# Altium PCB PCB1.PcbDoc (part 2 of 3)
Units mm, origin at the board's own origin, x right, y up, seen from the top; angles counter-clockwise.
Board outline 129.78 x 54 mm, 4 copper layers (Top Layer, Mid-Layer 1, Mid-Layer 2, Bottom Layer), stack 0.202 mm thick; 119 components, 96 nets, 472 pads, 1341 vias.
Unrouted connection lines stored in the file: 18.
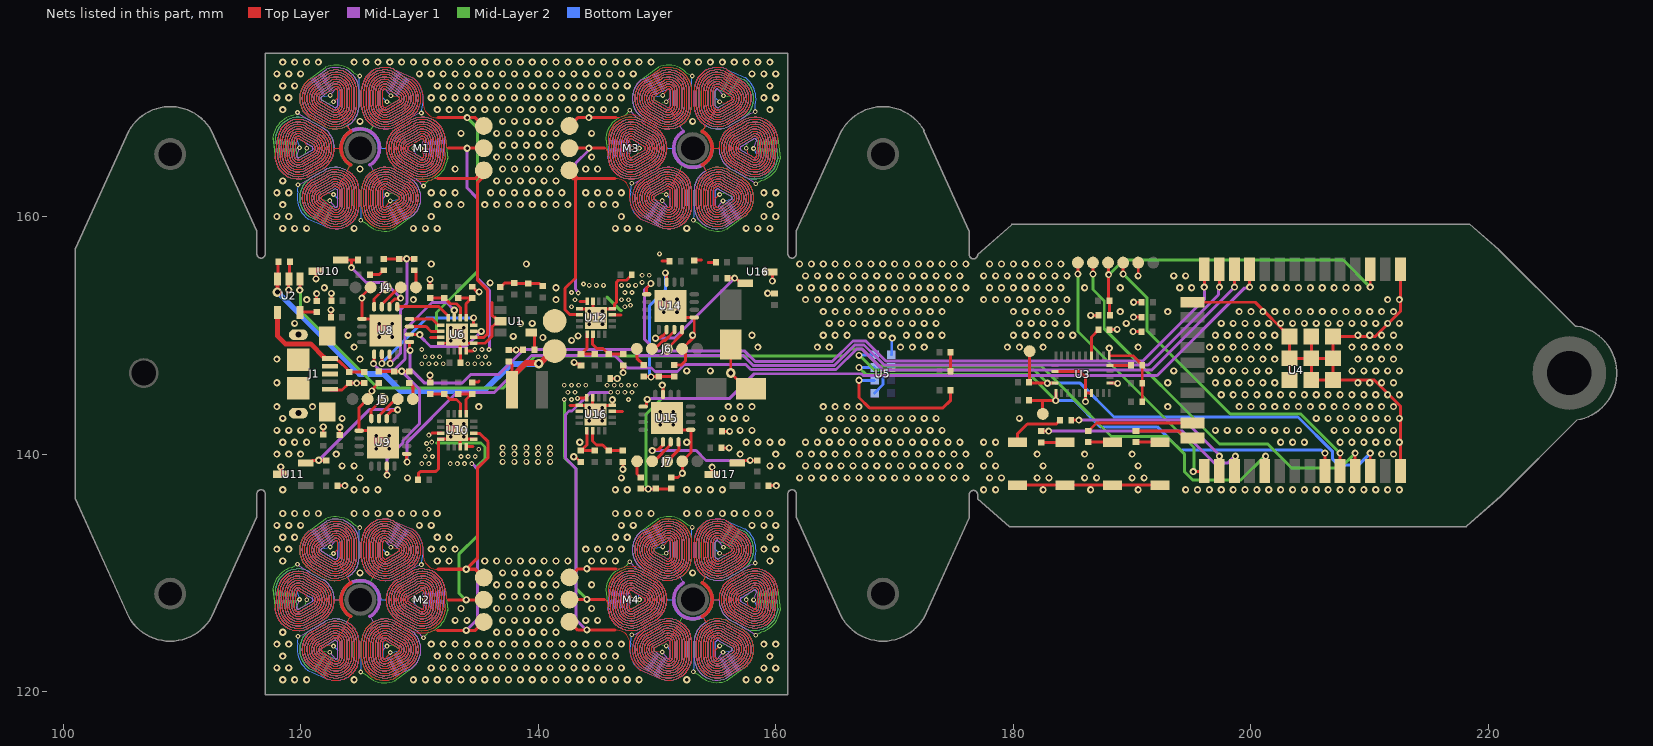
[diagram p4: the nets of this part, all layers, seen from the top]

## Via types
v1: diameter 0.6, hole 0.3, Top Layer to Bottom Layer, tented both sides, 1080 vias
v2: diameter 0.4, hole 0.2, Top Layer to Bottom Layer, tented both sides, 210 vias
v3: diameter 0.5, hole 0.3, Top Layer to Bottom Layer, 32 vias
v4: diameter 0.5, hole 0.3, Top Layer to Bottom Layer, tented both sides, 15 vias
v5: diameter 0.8, hole 0.4, Top Layer to Bottom Layer, tented both sides, 4 vias

## Nets (pads, with @x,y where several pads share a name; then routed paths per layer and width w, separated by ;. In a path a pad name is that pad's centre, name@x,y a point inside that pad or via, vN(x,y) a via of type N, cw(c..) or ccw(c..) an arc to the next point about the centre after c; other vN are vias at no path point) (continued)
GND: C1.2 C2.2 C3.2 C4.2 C5.2 C6.2 C7.2 C8.2 C9.2 C10.2 C11.2 C12.2 C13.1 C14.2 C15.2 C16.2 C17.2 C18.2 C19.2 C20.2 C21.2 C22.2 C23.2 C24.2 C25.2 C26.2 C27.2 C28.2 C29.2 C30.2 C31.2 C32.2 C33.2 C34.2 C35.2 C36.2 C37.2 C38.2 C39.2 C40.2 C41.2 C42.2 C43.2 C44.2 C45.2 C46.2 C47.2 C48.2 C49.2 D1.1 D2.1 D3.1 D4.1 GND1.1 J1.5 J1.6 J1.7 J1.8 J1.9 J1.10 J1.11 J3.1 J4.4 J5.4 J6.4 J7.4 R1.1 R4.1 U1.2 U2.2 U3.2 U3.6 U3.17 U3.25 U3.26 U4.1 U4.15 U4.38 U4.39 U5.1 U6.4 U6.7 U6.9 U6.17 U8.13 U8.17 U9.13 U9.17 U10.3@121.296,155.388 U10.4 U10.7 U10.9 U10.17 U11.3 U12.4 U12.7 U12.9 U12.17 U14.13 U14.17 U15.13 U15.17 U16.3@159.513,155.328 U16.4 U16.7 U16.9 U16.17 U17.3 | length 165.5
  Top Layer w0.25: U11.3@118.33,138.278 U11.3@118.33,138.303 v1(118.33,138.918) ; v1(118.999,153.823) U2.2@118.999,154.463 ; U2.2@118.999,154.732 U2.2@119.01,154.721 119.051,154.763 119.051,156.168 C12.2@119.093,156.21 ; U10.3@121.188,155.496 U10.3@121.296,155.388 v1(121.296,154.748) ; R1.1@121.353,152.873 R1.1@121.353,152.898 v1(121.353,153.513) ; C23.2@121.906,141.653 v1(121.906,142.293) ; J1.5@122.483,145.449 122.538,145.395 123.489,145.395 124.064,145.969 C10.2@124.089,145.969 124.713,145.969 C9.2@125.359,145.969 ; C21.2@122.552,151.493 C21.2@122.552,151.518 v1(122.552,152.133) ; C22.2@122.588,152.883 C22.2@122.588,152.908 v1(122.588,153.523) ; C32.2@123.091,137.353 v1(123.731,137.353) ; C24.2@123.296,141.617 v1(123.296,142.257) ; J5.4@125.639,144.635 124.909,143.905 124.909,141.986 125.934,141.986 U9.17@126.359,141.561 ; J5.4@125.708,144.999 126.004,145.296 v1(126.004,145.308) ; C31.2@125.824,155.106 126.608,155.106 126.975,155.473 C25.2@127,155.473 ; J4.4@125.892,154.029 125.162,153.299 v1(125.162,153.129) U8.13@125.162,151.38 126.187,151.38 v3(126.612,150.955) ; v1@126.103,145.395 126.17,145.462 126.17,145.605 126.559,145.994 C26.2@126.584,145.994 ; C46.2@129.882,137.85 129.906,137.874 129.906,138.353 130.077,138.524 131.383,138.524 131.611,138.752 131.611,139.514 131.615,139.518 131.615,141.239 131.64,141.264 U10.4@131.798,141.264 132.433,141.264 v3(132.633,141.464) ; C30.2@130.895,145.994 C30.2@130.895,146.019 v1(130.895,146.634) ; C28.2@130.895,154.06 C28.2@130.895,154.085 v1(130.895,154.7) ; U6.4@131.798,149.33 132.433,149.33 v3(132.633,149.53) ; U10.7@133.408,140.604 U10.7@133.433,140.629 133.433,141.214 133.683,141.464 v3(133.733,141.464) 133.933,141.264 U10.9@134.568,141.264 ; C45.2@133.469,147.678 133.469,148.494 133.433,148.53 U6.7@133.433,148.695 133.433,149.28 133.683,149.53 v3(133.733,149.53) 133.933,149.33 U6.9@134.568,149.33 135.527,149.33 136.095,149.898 136.095,150.688 136.363,150.956 136.595,150.956 U1.2@136.82,151.181 136.67,151.181 136.295,151.556 136.227,151.556 136.095,151.688 136.095,152.757 ; C27.2@134.416,154.085 C27.2@134.441,154.085 134.466,154.085 134.836,153.714 134.96,153.714 v1(135.027,153.647) ; C29.2@134.441,146.019 134.507,146.085 134.961,146.085 135.027,146.151 ; C5.2@136.82,154.057 136.845,154.057 137.174,154.386 C3.2@137.972,154.386 137.981,154.376 139.168,154.376 C6.2@139.178,154.367 140.11,154.367 140.342,154.136 C7.2@140.367,154.136 ; C11.2@137.505,148.745 137.531,148.771 138.699,148.771 C8.2@138.725,148.796 ; J3.1@141.388,150.826 J3.1@141.388,151.213 ; 142.68,144.096 U16.9@143.456,144.096 144.091,144.096 v3(144.291,143.896) 144.341,143.896 144.591,144.146 U16.7@144.591,144.731 ; v1(142.997,139.779) 143.064,139.712 143.187,139.712 143.558,139.341 C41.2@143.583,139.341 C41.2@143.608,139.341 ; v1(143.019,147.721) 143.113,147.721 143.24,147.594 143.479,147.594 C39.2@143.604,147.469 ; U12.9@143.477,152.224 144.112,152.224 v3(144.312,152.024) 144.362,152.024 144.612,152.274 U12.7@144.612,152.859 ; v3(145.391,143.896) 145.591,144.096 U16.4@146.226,144.096 ; v3(145.412,152.024) 145.612,152.224 U12.4@146.247,152.224 146.412,152.224 146.437,152.249 146.437,152.624 146.587,152.774 146.587,154.474 146.745,154.632 147.432,154.632 C48.2@147.901,155.101 ; C47.2@146.041,146.364 C47.2@146.066,146.364 v1(146.656,146.364) ; U16.4@146.245,144.096 v1(146.245,144.578) ; v1(147.129,138.726) C42.2@147.129,139.341 C42.2@147.129,139.366 ; v1(147.15,146.854) C40.2@147.15,147.469 C40.2@147.15,147.494 ; 150.433,156.244 C34.2@151.048,156.244 C34.2@151.073,156.244 ; C37.2@151.187,138.038 151.777,138.038 v1(152.132,138.392) J7.4@152.132,139.032 ; U15.17@151.412,142.471 151.837,142.046 152.862,142.046 152.862,140.127 J7.4@152.132,139.397 ; C38.2@151.462,147.495 152.052,147.495 152.407,147.849 J6.4@152.407,148.489 ; v3(151.687,151.928) 152.112,151.503 U14.13@153.137,151.503 153.137,149.879 J6.4@152.112,148.854 ; C33.2@153.112,156.329 153.752,156.329 ; 154.314,156.136 C43.2@154.954,156.136 ; U17.3@154.639,138.268 U17.3@154.639,138.293 v1(154.639,138.908) ; C36.2@155.436,140.518 v1(156.076,140.518) ; C35.2@155.472,141.908 v1(156.112,141.908) ; C1.2@156.21,149.224 v5(156.21,146.826) 157.535,145.501 C2.2@157.91,145.501 ; v1(159.31,153.535) C4.2@159.893,153.535 ; C44.2@159.4,137.343 v1(160.04,137.343) ; U16.3@159.513,155.328 159.54,155.328 159.715,155.153 v1(159.715,154.571) ; C19.2@174.719,146.978 C20.2@174.719,148.59 ; D4.1@180.333,137.392 D3.1@184.333,137.392 D2.1@188.333,137.392 D1.1@192.333,137.392 ; U3.17@183.508,146.965 185.57,146.965 186.07,146.465 U3.25@186.07,145.153 ; v1(186.07,144.415) U3.25@186.07,145.153 ; v1(186.51,151.675) C16.2@187.15,151.675 ; U3.26@186.57,145.153 U3.25@186.07,145.153 ; v1(188.07,148.918) U3.6@188.07,148.278 190.061,148.278 190.848,147.49 R4.1@190.848,147.465 C15.2@190.848,145.965 C14.2@190.848,144.415 ; C13.1@188.097,150.492 v1(188.737,150.492) ; U3.2@188.133,145.965 188.764,145.965 v1(188.773,145.956) ; v1(190.083,150.317) C49.2@190.723,150.317 ; v1(190.113,151.537) C17.2@190.753,151.537 ; v1(190.122,152.781) C18.2@190.762,152.781 ; v1@190.511,154.96 190.511,155.6 ; U4.15@194.747,152.456 U4.15@195.072,152.781 200.367,152.781 U4.39@203.247,149.901 U4.39@203.247,148.066 ; U4.39@203.247,146.231 U4.39@203.247,148.066 ; U4.39@205.082,149.901 U4.39@205.082,148.066 ; U4.38@212.582,138.566 212.582,144.034 210.385,146.231 U4.39@206.917,146.231 ; U4.1@212.582,155.566 212.582,152.019 210.464,149.901 U4.39@206.917,149.901 U4.39@206.917,148.066 ; U4.39@203.247,148.066 U4.39@205.082,148.066 ; U4.39@205.082,148.066 U4.39@205.082,146.231 U4.39@206.917,146.231 ; U4.39@205.082,148.066 U4.39@206.917,148.066 ; U4.39@206.917,146.231 U4.39@206.917,148.066
  Bottom Layer w0.25: U5.1@169.723,148.362 169.761,148.401 169.761,149.725 v1(169.8,149.764)
  other v1: 118.5,121 119.5,121 120.5,121 124.5,121 129.5,121 130.5,121 131.5,121 132.5,121 133.5,121 134.5,121 135.5,121 136.5,121 137.5,121 138.5,121 139.5,121 140.5,121 141.5,121 142.5,121 143.5,121 144.5,121 145.5,121 146.5,121 147.5,121 148.5,121 152.5,121 157.5,121 158.5,121 159.5,121 118,122 119,122 131,122 132,122 133,122 134,122 135,122 136,122 137,122 138,122 139,122 140,122 141,122 142,122 143,122 144,122 145,122 146,122 147,122 159,122 160,122 118.5,123 131.5,123 132.5,123 133.5,123 134.5,123 135.5,123 136.5,123 137.5,123 138.5,123 139.5,123 140.5,123 141.5,123 142.5,123 143.5,123 144.5,123 145.5,123 146.5,123 159.5,123 118,124 119,124 131,124 132,124 133,124 134,124 135,124 136,124 137,124 138,124 139,124 140,124 141,124 142,124 143,124 144,124 145,124 146,124 147,124 159,124 160,124 118.5,125 136.5,125 137.5,125 138.5,125 139.5,125 140.5,125 141.5,125 133,126 134,126 137,126 138,126 139,126 140,126 141,126 144,126 145,126 133.5,127 136.5,127 137.5,127 138.5,127 139.5,127 140.5,127 141.5,127 144.5,127 137,128 138,128 139,128 140,128 141,128 136.5,129 137.5,129 138.5,129 139.5,129 140.5,129 141.5,129 144.5,129 125,130 137,130 138,130 139,130 140,130 141,130 153,130 118.5,131 131.5,131 132.5,131 135.5,131 136.5,131 137.5,131 138.5,131 139.5,131 140.5,131 141.5,131 142.5,131 144.5,131 145.5,131 146.5,131 159.5,131 118,132 119,132 131,132 132,132 133,132 144,132 145,132 146,132 147,132 159,132 160,132 118.5,133 119.5,133 131.5,133 132.5,133 146.5,133 147.5,133 159.5,133 118,134 119,134 120,134 130,134 131,134 147,134 148,134 158,134 159,134 160,134 118.5,135 119.5,135 120.5,135 121.5,135 124.5,135 125.5,135 126.5,135 127.5,135 128.5,135 129.5,135 130.5,135 131.5,135 146.5,135 147.5,135 148.5,135 149.5,135 152.5,135 153.5,135 154.5,135 155.5,135 156.5,135 157.5,135 158.5,135 159.5,135 118.5,137 124.5,137 125.5,137 126.5,137 146.5,137 147.5,137 152.5,137 153.5,137 154.5,137 155.5,137 177.5,137 178.5,137 182.5,137 186.5,137 190.5,137 194.5,137 195.5,137 196.5,137 197.5,137 198.5,137 199.5,137 200.5,137 201.5,137 202.5,137 203.5,137 204.5,137 205.5,137 206.5,137 207.5,137 208.5,137 209.5,137 210.5,137 211.5,137 212.5,137 125,138 129,138 147,138 162,138 163,138 164,138 165,138 166,138 167,138 168,138 169,138 170,138 171,138 172,138 173,138 174,138 175,138 176,138 178,138 179,138 182,138 183,138 186,138 187,138 190,138 191,138 123.5,139 124.5,139 159.5,139 160.5,139 162.5,139 163.5,139 164.5,139 165.5,139 166.5,139 167.5,139 168.5,139 169.5,139 170.5,139 171.5,139 172.5,139 173.5,139 174.5,139 175.5,139 177.5,139 178.5,139 182.5,139 186.5,139 190.5,139 118,140 119,140 120,140 123,140 157,140 160,140 162,140 163,140 164,140 165,140 166,140 167,140 168,140 169,140 170,140 171,140 172,140 173,140 174,140 175,140 176,140 178,140 182,140 186,140 190,140 211,140 212,140 118.5,141 119.5,141 120.5,141 143.5,141 152.5,141 157.5,141 158.5,141 159.5,141 160.5,141 162.5,141 163.5,141 164.5,141 165.5,141 166.5,141 167.5,141 168.5,141 169.5,141 170.5,141 171.5,141 172.5,141 173.5,141 174.5,141 175.5,141 177.5,141 178.5,141 202.5,141 203.5,141 204.5,141 207.5,141 208.5,141 209.5,141 210.5,141 211.5,141 212.5,141 118,142 119,142 120,142 121,142 157,142 158,142 164,142 165,142 166,142 167,142 168,142 169,142 170,142 171,142 172,142 173,142 174,142 197,142 198,142 199,142 200,142 201,142 202,142 203,142 204,142 207,142 208,142 209,142 210,142 211,142 212,142 118.5,143 123.5,143 154.5,143 155.5,143 156.5,143 157.5,143 164.5,143 165.5,143 166.5,143 167.5,143 168.5,143 169.5,143 170.5,143 171.5,143 172.5,143 173.5,143 180.5,143 205.5,143 206.5,143 207.5,143 208.5,143 209.5,143 210.5,143 211.5,143 212.5,143 118,144 121,144 135,144 156,144 157,144 158,144 164,144 165,144 166,144 167,144 193,144 199,144 200,144 201,144 202,144 203,144 204,144 205,144 206,144 207,144 208,144 209,144 210,144 211,144 212,144 197.5,145 198.5,145 199.5,145 200.5,145 201.5,145 202.5,145 203.5,145 204.5,145 205.5,145 206.5,145 207.5,145 208.5,145 209.5,145 210.5,145 211.5,145 212.5,145 124.713,145.971 118,146 193,146 197,146 198,146 199,146 200,146 201,146 202,146 209,146 210,146 211,146 212,146 152.5,147 154.5,147 193.5,147 196.5,147 197.5,147 198.5,147 199.5,147 200.5,147 201.5,147 208.5,147 209.5,147 210.5,147 211.5,147 212.5,147 118,148 125,148 197,148 198,148 199,148 200,148 201,148 202,148 209,148 210,148 211,148 212,148 138.147,148.769 124.5,149 158.5,149 163.5,149 164.5,149 170.5,149 171.5,149 172.5,149 179.5,149 180.5,149 182.5,149 190.5,149 196.5,149 197.5,149 198.5,149 199.5,149 200.5,149 201.5,149 208.5,149 209.5,149 210.5,149 211.5,149 212.5,149 142.815,149.573 140.398,149.815 137.901,149.901 143.355,149.951 124,150 153,150 158,150 164,150 165,150 166,150 168,150 169,150 171,150 172,150 173,150 174,150 180,150 181,150 182,150 183,150 184,150 185,150 197,150 198,150 199,150 200,150 201,150 202,150 209,150 210,150 211,150 212,150 119.5,151 138.5,151 139.5,151 164.5,151 165.5,151 166.5,151 167.5,151 168.5,151 169.5,151 170.5,151 171.5,151 172.5,151 173.5,151 180.5,151 181.5,151 182.5,151 183.5,151 184.5,151 189.5,151 197.5,151 198.5,151 199.5,151 200.5,151 201.5,151 202.5,151 203.5,151 204.5,151 205.5,151 206.5,151 207.5,151 208.5,151 209.5,151 210.5,151 211.5,151 212.5,151 164,152 165,152 166,152 167,152 168,152 169,152 170,152 171,152 172,152 173,152 174,152 180,152 181,152 182,152 183,152 184,152 189,152 193,152 199,152 200,152 201,152 202,152 203,152 204,152 205,152 206,152 207,152 208,152 209,152 210,152 211,152 212,152 120.513,153 129.5,153 141.5,153 162.5,153 163.5,153 164.5,153 165.5,153 166.5,153 167.5,153 168.5,153 169.5,153 170.5,153 171.5,153 172.5,153 173.5,153 174.5,153 175.5,153 177.5,153 178.5,153 179.5,153 180.5,153 181.5,153 182.5,153 183.5,153 184.5,153 211.5,153 212.5,153 122,154 141.5,154 162,154 163,154 164,154 165,154 166,154 167,154 168,154 169,154 170,154 171,154 172,154 173,154 174,154 175,154 176,154 178,154 179,154 180,154 181,154 182,154 183,154 184,154 186,154 189,154 194,154 195,154 201,154 202,154 203,154 204,154 205,154 206,154 207,154 208,154 209,154 135.949,154.413 162.5,155 163.5,155 164.5,155 165.5,155 166.5,155 167.5,155 168.5,155 169.5,155 170.5,155 171.5,155 172.5,155 173.5,155 174.5,155 175.5,155 177.5,155 178.5,155 179.5,155 180.5,155 181.5,155 182.5,155 183.5,155 184.5,155 190.5,155 193.5,155 194.5,155 131,156 139,156 162,156 163,156 164,156 165,156 166,156 167,156 168,156 169,156 170,156 171,156 172,156 173,156 174,156 175,156 176,156 178,156 179,156 180,156 181,156 182,156 183,156 184,156 118.5,159 119.5,159 120.5,159 124.5,159 129.5,159 130.5,159 131.5,159 146.5,159 147.5,159 148.5,159 152.5,159 157.5,159 158.5,159 159.5,159 118,160 119,160 131,160 147,160 159,160 160,160 118.5,161 131.5,161 132.5,161 133.5,161 135.5,161 136.5,161 137.5,161 138.5,161 139.5,161 140.5,161 141.5,161 142.5,161 144.5,161 145.5,161 146.5,161 159.5,161 118,162 119,162 131,162 132,162 133,162 136,162 137,162 138,162 139,162 140,162 141,162 142,162 144,162 145,162 146,162 147,162 159,162 160,162 118.5,163 136.5,163 137.5,163 138.5,163 139.5,163 140.5,163 141.5,163 125,164 133,164 137,164 138,164 139,164 140,164 141,164 144,164 145,164 136.5,165 137.5,165 138.5,165 139.5,165 140.5,165 141.5,165 144.5,165 137,166 138,166 139,166 140,166 141,166 133.5,167 136.5,167 137.5,167 138.5,167 139.5,167 140.5,167 141.5,167 144.5,167 125,168 137,168 138,168 139,168 140,168 141,168 153,168 118.5,169 131.5,169 132.5,169 133.5,169 134.5,169 135.5,169 136.5,169 137.5,169 138.5,169 139.5,169 140.5,169 141.5,169 142.5,169 143.5,169 144.5,169 145.5,169 146.5,169 159.5,169 118,170 119,170 131,170 132,170 133,170 134,170 135,170 136,170 137,170 138,170 139,170 140,170 141,170 142,170 143,170 144,170 145,170 146,170 147,170 159,170 160,170 118.5,171 119.5,171 131.5,171 132.5,171 133.5,171 134.5,171 135.5,171 136.5,171 137.5,171 138.5,171 139.5,171 140.5,171 141.5,171 142.5,171 143.5,171 144.5,171 145.5,171 146.5,171 147.5,171 159.5,171 118,172 119,172 120,172 130,172 131,172 132,172 133,172 134,172 135,172 136,172 137,172 138,172 139,172 140,172 141,172 142,172 143,172 144,172 145,172 146,172 147,172 148,172 158,172 159,172 160,172 118.5,173 119.5,173 120.5,173 121.5,173 124.5,173 125.5,173 126.5,173 127.5,173 128.5,173 129.5,173 130.5,173 131.5,173 132.5,173 133.5,173 134.5,173 135.5,173 136.5,173 137.5,173 138.5,173 139.5,173 140.5,173 141.5,173 142.5,173 143.5,173 144.5,173 145.5,173 146.5,173 147.5,173 148.5,173 149.5,173 152.5,173 153.5,173 154.5,173 155.5,173 156.5,173 157.5,173 158.5,173 159.5,173
  other v2: 148.746,154.453 148.746,155.053 149.346,155.053 150.21,156.849
  other v3: 126.378,140.441 127.478,140.441 126.378,141.541 127.478,141.541 150.28,142.471 151.38,142.471 132.633,142.564 133.733,142.564 144.291,142.796 145.391,142.796 150.28,143.571 151.38,143.571 126.612,149.855 127.712,149.855 132.633,150.63 133.733,150.63 144.312,150.924 145.412,150.924 127.712,150.955 150.587,151.928 150.587,153.028 151.687,153.028
  other v4: 137,139.341 138,139.341 139,139.341 140,139.341 141,139.341 137,140 138,140 139,140 140,140 141,140 137,140.54 138,140.54 139,140.54 140,140.54 141,140.54
NetBOOT1_1: BOOT1.1 U4.25 | length 22.1
  Top Layer w0.25: v1(185.431,155.161) BOOT1.1@185.431,155.801 ; v1(195.139,138.521) 195.779,138.521 U4.25@195.834,138.576
  Mid-Layer 2 w0.25: v1(185.431,155.161) 185.431,150.328 195.194,140.565 195.194,138.576 v1(195.139,138.521)
NetC8_1: C8.1 U1.4 | length 1.6
  Top Layer w0.25: U1.4@139.42,150.231 139.45,150.231 139.675,150.006 C8.1@139.675,148.796
NetC9_1: C9.1 C10.1 J1.1 U2.4 | length 10.6
  Top Layer w0.25: J1.1@122.483,148.049 122.958,148.049 123.183,147.824 123.251,147.824 123.939,147.137 123.939,147.044 124.064,146.919 C10.1@124.089,146.919 C9.1@125.359,146.919
  Top Layer w0.4: U2.4@118.06,151.921 118.06,149.934 118.721,149.272 120.859,149.272 122.008,148.123 122.008,148.049 J1.1@122.483,148.049
NetC11_1: C11.1 C12.1 J2.2 J3.2 U2.3 | length 35.3
  Top Layer w0.25: v5(118.054,153.643) v5@118.057,153.646 ; U2.3@118.057,154.718 U2.3@118.06,154.721 118.101,154.763 118.101,156.168 C12.1@118.143,156.21 ; C11.1@137.505,147.795 137.53,147.795 137.795,147.53 137.795,146.49 J2.2@137.795,145.952 ; J3.2@141.075,148.546 141.261,148.546 J3.2@141.388,148.673
  Top Layer w0.35: v5@118.057,153.646 U2.3@118.057,154.718
  Top Layer w0.5: J2.2@137.795,146.49 138.979,147.674 139.987,147.674 v5(140.04,147.621) ; v5@140.245,147.716 J3.2@141.075,148.546
  Bottom Layer w0.5: v5(118.054,153.643) 124.952,146.746 127.012,146.746 128.442,145.315 135.43,145.315 137.681,147.566 139.986,147.566 v5(140.04,147.621)
NetC13_2: C13.2 U3.9 | length 2.4
  Top Layer w0.25: U3.9@186.57,148.278 186.57,149.865 187.147,150.442 C13.2@187.147,150.467
NetC16_1: C16.1 EN1.1 R2.1 U4.3 | length 29.8
  Top Layer w0.25: EN1.1@187.971,156.116 188.022,156.065 v1(188.022,155.11) ; EN1.1@188.022,155.75 v1(188.022,155.11) ; C16.1@188.125,151.675 188.099,151.7 188.099,152.893 R2.1@188.074,152.918 188.022,152.97 v1(188.022,155.11) ; v1(210.042,154.054) U4.3@210.042,155.194
  Mid-Layer 2 w0.25: v1(188.022,155.11) 188.066,155.11 189.293,156.337 207.759,156.337 v1(210.042,154.054)
NetC25_1: C25.1 R11.1 R17.1 U8.3 | length 13.3
  Top Layer w0.25: C25.1@127,156.423 127.018,156.441 129.559,156.441 R17.1@129.565,156.448 ; U8.3@127.487,148.261 127.506,148.242 127.506,147.655 v1(127.537,147.624) ; v1(128.925,156.448) R17.1@129.565,156.448 ; R17.1@129.577,156.46 R17.1@129.565,156.448
  Mid-Layer 1 w0.25: v1(127.537,147.624) 128.428,148.515 128.428,152.188 128.948,152.708 v1@128.948,156.448
NetC26_1: C26.1 R16.1 R18.1 U9.3 | length 14.3
  Top Layer w0.25: C26.1@126.602,146.962 127.884,146.962 128.509,146.962 129.142,146.962 R18.1@129.149,146.969 ; U9.3@127.234,138.867 127.253,138.848 127.253,138.26 v1(127.284,138.23) ; v1(128.509,146.969) R18.1@129.149,146.969 ; R18.1@129.161,146.98 R18.1@129.149,146.969
  Mid-Layer 1 w0.25: v1(127.284,138.23) 127.284,139.614 128.618,140.948 128.618,141.147 129.994,142.523 129.994,145.484 v1(128.509,146.969)
NetC27_1: C27.1 R12.1 U6.13 | length 3.1
  Top Layer w0.25: R12.1@133.274,153.135 C27.1@134.416,153.135 ; U6.13@133.949,151.481 U6.13@133.933,151.465 133.933,152.652 C27.1@134.416,153.135 ; C27.1@134.441,153.135 C27.1@134.441,153.135 C27.1@134.416,153.135
NetC28_1: C28.1 R13.1 U6.14 | length 3.8
  Top Layer w0.25: C28.1@130.895,153.135 R13.1@132.088,153.135 132.113,153.135 132.591,152.656 133.124,152.656 133.458,152.322 133.458,151.49 U6.14@133.433,151.465
NetC29_1: C29.1 R14.1 U10.13 | length 3.1
  Top Layer w0.25: R14.1@133.274,145.069 C29.1@134.416,145.069 ; U10.13@133.949,143.415 U10.13@133.933,143.399 133.933,144.587 C29.1@134.416,145.069 ; C29.1@134.439,145.068 C29.1@134.441,145.069 C29.1@134.416,145.069
NetC30_1: C30.1 R15.1 U10.14 | length 3.8
  Top Layer w0.25: C30.1@130.895,145.069 R15.1@132.088,145.069 132.113,145.069 132.591,144.591 133.124,144.591 133.458,144.257 133.458,143.424 U10.14@133.433,143.399
NetC37_1: C37.1 R25.1 R27.1 U15.3 | length 13.3
  Top Layer w0.25: R27.1@148.61,137.051 148.628,137.07 151.168,137.07 C37.1@151.187,137.088 ; R27.1@148.621,137.063 v1(149.261,137.063) ; v1(150.445,145.808) 150.445,145.713 150.518,145.64 150.518,145.184 U15.3@150.537,145.165
  Mid-Layer 2 w0.25: v1(149.261,137.063) 149.261,137.158 149.076,137.343 149.076,143.345 150.487,144.756 150.487,145.766 v1(150.445,145.808)
NetC38_1: C38.1 R26.1 R28.1 U14.3 | length 12.6
  Top Layer w0.25: R28.1@148.903,146.527 v1@149.33,146.527 ; v1@149.497,146.527 C38.1@151.505,146.527 ; v1(150.705,155.254) 150.705,155.159 150.792,155.072 150.792,154.641 U14.3@150.812,154.622
  Mid-Layer 2 w0.25: v1(150.705,155.254) v1@150.705,155.348
  Bottom Layer w0.25: v1(149.497,146.489) 149.497,146.584 149.351,146.73 149.351,152.464 150.705,153.818 v1(150.705,155.254)
NetC39_1: C39.1 R21.1 U12.13 | length 3.1
  Top Layer w0.25: C39.1@143.606,148.421 C39.1@143.604,148.419 C39.1@143.629,148.419 ; U12.13@144.096,150.073 U12.13@144.112,150.089 144.112,148.902 C39.1@143.629,148.419 ; R21.1@144.771,148.419 C39.1@143.629,148.419
NetC40_1: C40.1 R22.1 U12.14 | length 3.8
  Top Layer w0.25: U12.14@144.612,150.089 144.587,150.064 144.587,149.232 144.921,148.898 145.454,148.898 145.933,148.419 R22.1@145.958,148.419 C40.1@147.15,148.419
NetC41_1: C41.1 R23.1 U16.13 | length 3.1
  Top Layer w0.25: C41.1@143.583,140.291 C41.1@143.583,140.291 C41.1@143.608,140.291 ; U16.13@144.074,141.945 U16.13@144.091,141.961 144.091,140.773 C41.1@143.608,140.291 ; R23.1@144.75,140.291 C41.1@143.608,140.291
NetC42_1: C42.1 R24.1 U16.14 | length 3.8
  Top Layer w0.25: U16.14@144.591,141.961 144.566,141.936 144.566,141.104 144.9,140.769 145.433,140.769 145.911,140.291 R24.1@145.936,140.291 C42.1@147.129,140.291
NetD1_2: D1.2 R10.1 | length 2
  Top Layer w0.25: R10.1@190.323,141.001 192.324,141.001 D1.2@192.333,140.992
NetD2_2: D2.2 R9.1 | length 2
  Top Layer w0.25: R9.1@186.309,141.003 188.322,141.003 D2.2@188.333,140.992
NetD3_2: D3.2 R8.1 | length 2
  Top Layer w0.25: R8.1@182.33,140.979 184.32,140.979 D3.2@184.333,140.992
NetD4_2: D4.2 R6.1 | length 4.8
  Top Layer w0.25: D4.2@180.333,140.992 180.333,141.686 181.172,142.525 183.609,142.525 183.922,142.838 R6.1@183.922,142.863
NetJ1_2: J1.2
NetJ1_3: J1.3
NetJ4_1: J4.1 R17.2 | length 1.4
  Top Layer w0.25: R17.2@129.559,155.473 R17.2@129.584,155.473 ; J4.1@129.702,154.029 R17.2@129.702,155.355
NetJ4_2: J4.2 U8.11 | length 2.4
  Top Layer w0.25: U8.11@126.837,152.405 126.837,152.603 128.263,154.029 J4.2@128.432,154.029
NetJ4_3: J4.3 U8.12 | length 2
  Top Layer w0.25: U8.12@126.187,152.405 126.187,153.054 J4.3@127.162,154.029
NetJ5_1: J5.1 R18.2 | length 1.5
  Top Layer w0.25: R18.2@129.142,145.994 129.167,145.994 129.449,145.712 J5.1@129.449,144.635
NetJ5_2: J5.2 U9.11 | length 2.4
  Top Layer w0.25: U9.11@126.584,143.011 126.584,143.208 128.01,144.635 J5.2@128.179,144.635
NetJ5_3: J5.3 U9.12 | length 2
  Top Layer w0.25: U9.12@125.934,143.011 125.934,143.66 J5.3@126.909,144.635
NetJ6_1: J6.1 R28.2 | length 1.6
  Top Layer w0.25: J6.1@148.302,148.854 148.302,148.071 148.878,147.495 R28.2@148.903,147.495
NetJ6_2: J6.2 U14.11 | length 2.4
  Top Layer w0.25: J6.2@149.867,148.854 149.867,148.946 150.021,149.1 150.063,149.1 150.541,149.579 150.703,149.579 151.358,150.234 151.415,150.234 151.462,150.28 U14.11@151.462,150.478
NetJ6_3: J6.3 U14.12 | length 2.2
  Top Layer w0.25: J6.3@150.842,148.854 152.092,150.105 152.092,150.459 U14.12@152.112,150.478
NetJ7_1: J7.1 R27.2 | length 1.5
  Top Layer w0.25: J7.1@148.322,139.397 148.322,138.319 148.603,138.038 R27.2@148.628,138.038
NetJ7_2: J7.2 U15.11 | length 2.4
  Top Layer w0.25: J7.2@149.592,139.397 149.761,139.397 151.187,140.823 U15.11@151.187,141.021
NetJ7_3: J7.3 U15.12 | length 2
  Top Layer w0.25: J7.3@150.862,139.397 151.837,140.372 U15.12@151.837,141.021
NetM1_1: M1.1 U6.10 | length 15.7
  Top Layer w0.25: U6.10@134.568,149.83 134.593,149.805 135.426,149.805 135.745,150.124 135.745,153.781 134.877,154.649 134.877,162.85 135.412,163.385 M1.1@135.412,163.883
NetM1_2: M1.2 U6.8 | length 18.3
  Top Layer w0.25: U6.8@133.933,148.695 v2@134.526,148.695
  Mid-Layer 1 w0.25: v1(134.021,165.749) 134.021,162.397 134.877,161.541 134.877,154.806 135.9,153.784 v2@135.9,148.8
  other v2: 134.06,147.6 134.66,147.6 135.26,147.6 135.86,147.6 134.96,148.2 135.56,148.2 134.66,148.8 135.26,148.8 135.86,148.8
NetM1_3: M1.3 U6.3 | length 20.5
  Top Layer w0.25: 130.92,149.83 U6.3@131.798,149.83
  Mid-Layer 2 w0.25: 131.437,150.501 131.437,151.91 134.877,155.35 134.877,167.464 v1(134.022,168.319)
  other v2: 130.2,147.6 130.8,147.6 131.4,147.6 132,147.6 130.5,148.2 131.1,148.2 131.7,148.2 130.2,148.8 125.068,159.677 127.557,161.314 122.446,161.339 122.773,161.856 127.273,161.856 130.344,162.567 119.783,162.676 130.134,165.728 120.523,165.753 129.523,165.753 119.911,165.778 130.168,168.714 119.738,168.752 122.773,169.65 127.273,169.65 127.6,170.167 122.489,170.192 124.977,171.829
NetM2_1: M2.1 U10.10 | length 13.8
  Top Layer w0.25: v1(133.941,130.306) 134.908,131.273 134.908,136.398 134.908,138.845 135.786,139.722 135.786,141.036 135.083,141.739 134.593,141.739 U10.10@134.568,141.764
  Top Layer w0.254: v1(133.941,130.306) 134.712,130.306
  other v1: 133.941,125.162 133.941,127.732
  other v2: 125.068,121.659 127.557,123.297 122.446,123.322 122.773,123.838 127.273,123.838 130.344,124.549 119.783,124.658 130.134,127.711 120.523,127.736 129.523,127.736 119.911,127.76 130.168,130.697 119.738,130.735 122.773,131.633 127.273,131.633 127.6,132.149 122.489,132.174 124.977,133.812
NetM2_2: M2.2 U10.8 | length 15.3
  Top Layer w0.25: U10.8@133.933,140.629 134.526,140.629
  Mid-Layer 1 w0.25: 133.949,125.154 134.908,126.114 134.908,138.732 134.44,139.2 v2(134.4,139.2)
  other v2: 132.6,139.2 133.2,139.2 133.8,139.2 133.5,139.8 134.1,139.8 134.7,139.8 135,140.4
NetM2_3: M2.3 U10.3@131.798,141.764 | length 18.7
  Top Layer w0.25: 131.058,141.764 U10.3@131.798,141.764
  Mid-Layer 2 w0.25: 131.458,140.924 135.184,140.924 135.52,140.588 135.52,139.626 134.908,139.015 ; 133.915,127.705 133.316,128.304 133.316,131.564 134.908,133.157 134.908,135.448 ; 134.908,135.549 134.908,136.398 134.908,138.819
  other v2: 130.2,139.2 130.8,139.2 130.5,139.8 131.1,139.8 130.8,140.4 130.608,140.891 131.042,141.012 130.8,141.6
NetM3_1: M3.1 U12.10 | length 12.5
  Top Layer w0.25: 143.137,162.86 143.137,154.828 142.259,153.95 142.259,152.143 142.653,151.749 143.452,151.749 U12.10@143.477,151.724
NetM3_2: M3.2 U12.8 | length 13.5
  Top Layer w0.25: 143.519,152.859 U12.8@144.112,152.859
  Mid-Layer 1 w0.25: v2(143.362,153.562) 143.362,153.603 143.225,153.741 143.225,153.815 143.137,153.903 143.137,164.473 144.272,165.608 144.272,165.889
  other v2: 142.8,152.4 143.1,153 142.8,153.6 144.3,154.2 144.9,154.2 145.5,154.2 143.813,154.313
NetM3_3: M3.3 U12.3 | length 12.9
  Top Layer w0.25: M3.3@142.437,163.707 143.002,163.141 ; M3.3@142.531,163.835 M3.3@142.633,163.734 ; M3.3@142.633,163.883 M3.3@142.633,163.734 ; M3.3@142.875,163.347 142.633,163.59 M3.3@142.633,163.734 ; 143.137,155.286 143.137,163.318 ; 143.232,163.135 M3.3@142.633,163.734 ; U12.3@146.247,151.724 146.987,151.724
  Mid-Layer 2 w0.25: 145.805,153.207 146.912,152.099 146.999,152.099
  other v1: 144.271,165.755 144.272,168.325
  other v2: 147.3,152.4 147.775,152.524 147.012,153 147.6,153 147.3,153.6 147.9,153.6 147.012,154.2 147.6,154.2 148.2,154.2 153.068,159.677 155.557,161.314 150.446,161.339 150.773,161.856 155.273,161.856 158.308,162.754 147.878,162.792 158.134,165.728 148.523,165.753 157.523,165.753 147.911,165.778 158.262,168.83 147.701,168.939 150.773,169.65 155.273,169.65 155.6,170.167 150.489,170.192 152.977,171.829
NetM4_1: M4.1 U16.10
NetM4_2: M4.2 U16.8 | length 18.2
  Top Layer w0.25: v2@143.498,144.731 U16.8@144.091,144.731
  Mid-Layer 2 w0.25: v2(142.2,144.6) 142.2,139.744 143.168,138.776 143.168,128.71 v1(144.104,127.774)
  other v1: 144.104,125.2 144.104,130.344
  other v2: 153.068,121.673 155.557,123.311 150.446,123.336 150.773,123.852 155.273,123.852 158.308,124.75 147.878,124.788 158.134,127.725 147.911,127.774 148.523,127.749 157.523,127.749 158.262,130.827 147.701,130.936 150.773,131.647 155.273,131.647 155.6,132.163 150.489,132.188 152.977,133.826 142.8,144.6 143.311,144.688 142.5,145.2 143.1,145.2 142.2,145.8 142.8,145.8 143.4,145.8 144,145.8
NetM4_3: M4.3 U16.3@146.226,143.596 | length 24.4
  Top Layer w0.25: U16.3@146.226,143.596 147.104,143.596
  Mid-Layer 1 w0.25: 144.072,125.168 143.168,126.072 143.168,138.776 142.291,139.653 142.291,143.313 142.598,143.621 142.846,143.621 144.424,145.2 v2(146.1,145.2)
  other v2: 147.6,144.6 146.7,145.2 147.3,145.2 147.9,145.2 145.8,145.8 146.4,145.8 147,145.8 147.6,145.8 148.2,145.8
NetR1_2: R1.2 U2.5 | length 1.4
  Top Layer w0.25: U2.5@119.96,151.921 119.986,151.948 R1.2@121.353,151.948
NetR3_2: R3.2 SDA1.1 U3.20 U4.33 U5.7 | length 48.9
  Top Layer w0.25: R3.2@181.325,144.513 182.448,144.513 ; SDA1.1@182.462,143.154 182.462,144.498 182.448,144.513 ; U3.20@183.57,145.153 v1(183.57,144.513) 182.448,144.513 ; U4.33@206.232,138.938 v1(206.232,140.078)
  Mid-Layer 2 w0.25: v1(167.005,147.287) 167.607,146.685 181.398,146.685 v1(183.57,144.513)
  Bottom Layer w0.25: v1(167.005,147.287) U5.7@168.323,147.287 ; v1(183.57,144.513) 185.098,144.513 187.315,142.295 192.107,142.295 194.058,140.344 205.911,140.344 206.177,140.078 v1(206.232,140.078)
NetR4_2: R4.2 U3.5 | length 1.8
  Top Layer w0.25: U3.5@188.133,147.465 R4.2@189.898,147.465
NetR5_1: R5.1 SCL1.1 U3.19 U4.36 U5.8 | length 55
  Top Layer w0.25: SCL1.1@181.361,148.665 181.343,148.647 181.343,146.055 R5.1@181.325,146.037 181.361,146.001 182.832,146.001 v1(182.868,145.965) U3.19@183.508,145.965 ; U4.36@210.042,138.938 v1(210.042,140.078)
  Mid-Layer 2 w0.25: v1(167.005,148.303) 167.064,148.303 168.289,147.078 176.414,147.078 176.464,147.078 177.034,147.078 177.038,147.078 181.756,147.078 v1(182.868,145.965)
  Bottom Layer w0.25: v1(167.005,148.303) 167.034,148.332 168.293,148.332 U5.8@168.323,148.362 ; v1(182.868,145.965) 185.625,145.965 188.461,143.129 203.956,143.129 206.883,140.202 206.883,139.573 207.391,139.065 209.029,139.065 v1(210.042,140.078)
NetR6_2: R6.2 U4.26 | length 14.3
  Top Layer w0.25: R6.2@184.872,142.863 v1(185.512,142.863) ; U4.26@197.342,139.256 v1(197.342,139.819)
  Mid-Layer 1 w0.25: v1(185.512,142.863) 194.375,142.863 197.342,139.896 v1(197.342,139.819)
NetR7_1: R7.1 U5.6 | length 11.9
  Top Layer w0.25: v1(167.005,146.212) 167.005,144.759 167.873,143.891 174.084,143.891 174.719,144.526 R7.1@174.719,145.365
  Bottom Layer w0.25: v1(167.005,146.212) U5.6@168.323,146.212
NetR8_2: R8.2 U4.27 | length 18.3
  Top Layer w0.25: R8.2@182.33,141.929 v1(182.97,141.929) ; U4.27@198.69,139.256 v1(198.69,139.819)
  Mid-Layer 1 w0.25: v1(182.97,141.929) 194.23,141.929 196.893,139.265 198.059,139.265 198.613,139.819 v1(198.69,139.819)
NetR9_2: R9.2 U4.23 | length 9.3
  Top Layer w0.25: R9.2@186.309,141.953 186.334,141.953 187.002,142.621 U4.23@195.072,142.621 U4.23@194.897,142.446
NetR10_2: R10.2 U4.24 | length 5
  Top Layer w0.25: R10.2@190.323,141.951 193.922,141.951 194.522,141.351 U4.24@195.072,141.351
NetR19_1: R19.1 U8.10 U10.2@123.396,156.338 | length 8.5
  Top Layer w0.25: U10.2@123.396,156.338 124.271,156.338 ; v1(124.271,155.698) 124.271,156.338 ; R19.1@124.848,156.338 124.271,156.338 ; U8.10@127.487,152.607 127.487,152.63 127.919,153.062 128.356,153.062 v1(128.423,153.129)
  Mid-Layer 1 w0.25: v1(124.271,155.698) 125.537,154.432 127.119,154.432 v1(128.423,153.129)
NetR20_1: R20.1 U9.10 U11.2 | length 11.4
  Top Layer w0.25: U11.2@120.43,139.253 120.78,139.253 121.005,139.478 v1(121.526,139.478) R20.1@122.141,139.478 R20.1@122.166,139.478 ; U9.10@127.234,143.213 127.234,143.236 127.666,143.668 128.102,143.668 v1(128.169,143.735)
  Mid-Layer 1 w0.25: v1(121.526,139.478) 125.782,143.735 v1(128.169,143.735)
NetR29_1: R29.1 U14.10 U16.2@157.413,154.378 | length 11.6
  Top Layer w0.25: v1(149.876,149.754) 149.943,149.821 150.288,149.821 150.396,149.929 150.46,149.929 150.807,150.275 U14.10@150.812,150.275 ; R29.1@155.923,154.813 156.628,154.813 157.063,154.378 U16.2@157.413,154.378
  Mid-Layer 1 w0.25: v1(149.876,149.754) 151.479,149.754 155.814,154.089 v1(156.538,154.813)
NetR30_1: R30.1 U15.10 U17.2 | length 11.6
  Top Layer w0.25: v1(149.601,140.297) 149.668,140.364 150.105,140.364 150.537,140.796 U15.10@150.537,140.818 ; U17.2@156.739,139.243 157.089,139.243 157.314,139.468 v1(157.835,139.468) R30.1@158.45,139.468 R30.1@158.475,139.468
  Mid-Layer 1 w0.25: v1(149.601,140.297) 153.303,140.297 154.133,139.468 v1(157.835,139.468)
NetU2_1: U2.1 U4.29 | length 94.5
  Top Layer w0.25: v1(119.931,153.805) U2.1@119.931,154.445 ; U4.29@201.23,139.256 v1(201.23,139.819)
  Mid-Layer 2 w0.25: v1(119.931,153.805) 119.988,153.747 119.988,152.067 126.484,145.571 137.064,145.571 139.739,148.246 160.905,148.246 160.909,148.246 161.544,148.246 161.666,148.246 165.711,148.246 166.317,148.852 167.261,148.852 168.686,147.428 176.414,147.428 176.464,147.428 177.034,147.428 177.038,147.428 182.331,147.428 184.626,145.132 184.626,145.117 188.26,141.483 192.919,141.483 194.422,139.98 194.422,138.495 195.08,137.837 199.171,137.837 201.153,139.819 v1(201.23,139.819)
NetU4_11: U4.11 U15.5 | length 56.7
  Top Layer w0.25: U15.5@148.862,143.996 149.06,143.996 149.106,144.042 149.106,144.428 149.185,144.507 v1(149.185,144.602) ; v1(199.882,154.054) U4.11@199.882,155.194
  Mid-Layer 1 w0.25: v1(149.185,144.602) 149.25,144.667 156.091,144.667 158.186,146.762 167.197,146.762 167.34,146.619 192.104,146.619 199.483,153.999 199.827,153.999 v1(199.882,154.054)
NetU4_12: U4.12 U9.5 | length 81.4
  Top Layer w0.25: v1@128.928,139.376 U9.5@128.928,140.016 ; v1(198.612,154.054) U4.12@198.612,155.194
  Mid-Layer 1 w0.25: v1(128.968,139.336) 128.968,141.002 133.166,145.2 136.327,145.2 139.427,148.299 146.448,148.299 147.496,147.251 149.547,147.251 149.838,146.96 151.718,146.96 152.283,147.525 157.488,147.525 157.901,147.112 165.072,147.112 166.788,148.828 167.285,148.828 169.055,147.059 173.769,147.059 191.617,147.059 v1(198.612,154.054)
NetU4_13: U4.13 U8.5 | length 78.1
  Top Layer w0.25: v1@129.181,148.77 U8.5@129.181,149.41 ; v1(197.342,154.054) U4.13@197.342,155.194
  Mid-Layer 1 w0.25: v1(129.222,148.73) 129.222,147.188 130.445,145.965 133.58,145.965 134.316,146.701 136.684,146.701 138.779,148.796 147.945,148.796 148.429,148.312 157.25,148.312 158.1,147.462 160.905,147.462 160.909,147.462 161.544,147.462 161.666,147.462 164.927,147.462 166.643,149.178 167.433,149.178 169.122,147.489 176.414,147.489 176.464,147.489 177.034,147.489 177.038,147.489 191.349,147.489 197.275,153.416 197.275,153.987 v1(197.342,154.054)
NetU4_14: U4.14 U14.5 | length 59.6
  Top Layer w0.25: U14.5@149.117,153.472 149.117,153.986 v1(149.489,154.357) ; v1(196.072,154.054) U4.14@196.072,155.194
  Mid-Layer 1 w0.25: v1(149.489,154.357) 148.937,153.806 148.937,149.681 149.956,148.662 157.395,148.662 158.245,147.812 160.905,147.812 160.909,147.812 161.544,147.812 161.666,147.812 164.782,147.812 166.498,149.528 167.578,149.528 169.267,147.839 176.414,147.839 176.464,147.839 177.034,147.839 177.038,147.839 190.892,147.839 196.072,153.019 v1(196.072,154.054)
NetU4_34: U4.34 URX1.1 | length 27.9
  Top Layer w0.25: v1(189.241,155.161) URX1.1@189.241,155.801 ; U4.34@207.502,138.938 v1(207.502,140.078)
  Mid-Layer 2 w0.25: v1(189.241,155.161) 191.262,153.14 191.262,150.368 198.247,143.383 204.197,143.383 v1(207.502,140.078)
NetU4_35: U4.35 UTX1.1 | length 33.3
  Top Layer w0.25: v1(186.701,155.161) UTX1.1@186.701,155.801 ; U4.35@208.772,138.938 v1(208.772,140.078)
  Mid-Layer 2 w0.25: v1(186.701,155.161) 186.701,153.845 187.65,152.896 187.65,150.551 197.358,140.843 201.422,140.843 203.454,138.811 207.505,138.811 v1(208.772,140.078)
NetU5_2: U5.2 U5.5 | length 2.7
  Bottom Layer w0.25: U5.5@168.323,145.137 168.323,145.149 169.023,145.849 169.023,146.574 169.723,147.274 U5.2@169.723,147.287
NetU6_1: U6.1 U8.8 | length 2.9
  Top Layer w0.25: U8.8@129.162,151.38 131.083,151.38 131.633,150.83 U6.1@131.798,150.83
NetU6_2: U6.2 U8.7 | length 2.8
  Top Layer w0.25: U8.7@129.162,150.73 130.57,150.73 130.97,150.33 U6.2@131.798,150.33
NetU6_11: U6.11 U8.6 | length 7.6
  Top Layer w0.25: U8.6@129.284,150.072 129.288,150.068 130.02,150.068 v1(130.032,150.056) ; U6.11@134.568,150.33 v1(135.208,150.33)
  Mid-Layer 1 w0.25: v1(130.032,150.056) 130.032,149.965 130.942,149.055 133.933,149.055 v1(135.208,150.33)
NetU6_12: U6.12 U8.2 | length 10.6
  Top Layer w0.25: v1(126.837,147.624) U8.2@126.837,148.264 ; U6.12@134.568,150.83 v1(134.568,151.47)
  Mid-Layer 2 w0.25: v1(126.837,147.624) v1@126.837,147.666
  Bottom Layer w0.25: v1@126.837,147.666 130.641,151.47 v1(134.568,151.47)
NetU6_15: U6.15 U8.1 | length 12.6
  Top Layer w0.25: v1(126.137,147.613) 126.168,147.644 126.168,148.385 U8.1@126.187,148.405 ; U6.15@132.933,151.465 v1(132.933,152.105)
  Mid-Layer 1 w0.25: v1(126.137,147.613) 126.137,147.581 126.652,147.066 127.857,147.066 128.778,147.987 128.778,150.475 131.057,152.755 132.283,152.755 v1(132.933,152.105)
NetU6_16: U6.16 U8.9 | length 5
  Top Layer w0.25: U8.9@128.137,152.207 U8.9@128.137,152.405 131.658,152.405 132.433,151.63 U6.16@132.433,151.465